# Allegro board LED_FIN.brd (continued)
## Placement (name value [footprint] x y rotation side) (continued)
D11225  0603_LED  [0603_SINGLE]  105.25 176 0 top
D11226  0603_LED  [0603_SINGLE]  107.25 176 0 top
D11227  0603_LED  [0603_SINGLE]  109.25 176 0 top
D11228  0603_LED  [0603_SINGLE]  111.25 176 0 top
D11229  0603_LED  [0603_SINGLE]  113.25 176 0 top
D11230  0603_LED  [0603_SINGLE]  115.25 176 0 top
D11231  0603_LED  [0603_SINGLE]  117.25 176 0 top
D11232  0603_LED  [0603_SINGLE]  119.25 176 0 top
D11233  0603_LED  [0603_SINGLE]  121.25 176 0 top
D11234  0603_LED  [0603_SINGLE]  123.25 176 0 top
D11235  0603_LED  [0603_SINGLE]  125.25 176 0 top
D11236  0603_LED  [0603_SINGLE]  127.25 176 0 top
D11237  0603_LED  [0603_SINGLE]  129.25 176 0 top
D11238  0603_LED  [0603_SINGLE]  131.25 176 0 top
D11239  0603_LED  [0603_SINGLE]  133.25 176 0 top
D11240  0603_LED  [0603_SINGLE]  135.25 176 0 top
D11241  0603_LED  [0603_SINGLE]  137.25 176 0 top
D11242  0603_LED  [0603_SINGLE]  139.25 176 0 top
D11243  0603_LED  [0603_SINGLE]  141.25 176 0 top
D11244  0603_LED  [0603_SINGLE]  143.25 176 0 top
D11245  0603_LED  [0603_SINGLE]  145.25 176 0 top
D11246  0603_LED  [0603_SINGLE]  147.25 176 0 top
D11247  0603_LED  [0603_SINGLE]  149.25 176 0 top
D11248  0603_LED  [0603_SINGLE]  151.25 176 0 top
D11249  0603_LED  [0603_SINGLE]  153.25 176 0 top
D11250  0603_LED  [0603_SINGLE]  155.25 176 0 top
D11251  0603_LED  [0603_SINGLE]  97.25 174 0 top
D11252  0603_LED  [0603_SINGLE]  99.25 174 0 top
D11253  0603_LED  [0603_SINGLE]  101.25 174 0 top
D11254  0603_LED  [0603_SINGLE]  103.25 174 0 top
D11255  0603_LED  [0603_SINGLE]  105.25 174 0 top
D11256  0603_LED  [0603_SINGLE]  107.25 174 0 top
D11257  0603_LED  [0603_SINGLE]  109.25 174 0 top
D11258  0603_LED  [0603_SINGLE]  111.25 174 0 top
D11259  0603_LED  [0603_SINGLE]  113.25 174 0 top
D11260  0603_LED  [0603_SINGLE]  115.25 174 0 top
D11261  0603_LED  [0603_SINGLE]  117.25 174 0 top
D11262  0603_LED  [0603_SINGLE]  119.25 174 0 top
D11263  0603_LED  [0603_SINGLE]  121.25 174 0 top
D11264  0603_LED  [0603_SINGLE]  123.25 174 0 top
D11265  0603_LED  [0603_SINGLE]  125.25 174 0 top
D11266  0603_LED  [0603_SINGLE]  127.25 174 0 top
D11267  0603_LED  [0603_SINGLE]  129.25 174 0 top
D11268  0603_LED  [0603_SINGLE]  131.25 174 0 top
D11269  0603_LED  [0603_SINGLE]  133.25 174 0 top
D11270  0603_LED  [0603_SINGLE]  135.25 174 0 top
D11271  0603_LED  [0603_SINGLE]  137.25 174 0 top
D11272  0603_LED  [0603_SINGLE]  139.25 174 0 top
D11273  0603_LED  [0603_SINGLE]  141.25 174 0 top
D11274  0603_LED  [0603_SINGLE]  143.25 174 0 top
D11275  0603_LED  [0603_SINGLE]  145.25 174 0 top
D11276  0603_LED  [0603_SINGLE]  147.25 174 0 top
D11277  0603_LED  [0603_SINGLE]  149.25 174 0 top
D11278  0603_LED  [0603_SINGLE]  151.25 174 0 top
D11279  0603_LED  [0603_SINGLE]  153.25 174 0 top
D11280  0603_LED  [0603_SINGLE]  155.25 174 0 top
D11281  0603_LED  [0603_SINGLE]  97.25 172 0 top
D11282  0603_LED  [0603_SINGLE]  99.25 172 0 top
D11283  0603_LED  [0603_SINGLE]  101.25 172 0 top
D11284  0603_LED  [0603_SINGLE]  103.25 172 0 top
D11285  0603_LED  [0603_SINGLE]  105.25 172 0 top
D11286  0603_LED  [0603_SINGLE]  107.25 172 0 top
D11287  0603_LED  [0603_SINGLE]  109.25 172 0 top
D11288  0603_LED  [0603_SINGLE]  111.25 172 0 top
D11289  0603_LED  [0603_SINGLE]  113.25 172 0 top
D11290  0603_LED  [0603_SINGLE]  115.25 172 0 top
D11291  0603_LED  [0603_SINGLE]  117.25 172 0 top
D11292  0603_LED  [0603_SINGLE]  119.25 172 0 top
D11293  0603_LED  [0603_SINGLE]  121.25 172 0 top
D11294  0603_LED  [0603_SINGLE]  123.25 172 0 top
D11295  0603_LED  [0603_SINGLE]  125.25 172 0 top
D11296  0603_LED  [0603_SINGLE]  127.25 172 0 top
D11297  0603_LED  [0603_SINGLE]  129.25 172 0 top
D11298  0603_LED  [0603_SINGLE]  131.25 172 0 top
D11299  0603_LED  [0603_SINGLE]  133.25 172 0 top
D11300  0603_LED  [0603_SINGLE]  135.25 172 0 top
D11301  0603_LED  [0603_SINGLE]  137.25 172 0 top
D11302  0603_LED  [0603_SINGLE]  139.25 172 0 top
D11303  0603_LED  [0603_SINGLE]  141.25 172 0 top
D11304  0603_LED  [0603_SINGLE]  143.25 172 0 top
D11305  0603_LED  [0603_SINGLE]  145.25 172 0 top
D11306  0603_LED  [0603_SINGLE]  147.25 172 0 top
D11307  0603_LED  [0603_SINGLE]  149.25 172 0 top
D11308  0603_LED  [0603_SINGLE]  151.25 172 0 top
D11309  0603_LED  [0603_SINGLE]  153.25 172 0 top
D11310  0603_LED  [0603_SINGLE]  155.25 172 0 top
D11311  0603_LED  [0603_SINGLE]  97.25 170 0 top
D11312  0603_LED  [0603_SINGLE]  99.25 170 0 top
D11313  0603_LED  [0603_SINGLE]  101.25 170 0 top
D11314  0603_LED  [0603_SINGLE]  103.25 170 0 top
D11315  0603_LED  [0603_SINGLE]  105.25 170 0 top
D11316  0603_LED  [0603_SINGLE]  107.25 170 0 top
D11317  0603_LED  [0603_SINGLE]  109.25 170 0 top
D11318  0603_LED  [0603_SINGLE]  111.25 170 0 top
D11319  0603_LED  [0603_SINGLE]  113.25 170 0 top
D11320  0603_LED  [0603_SINGLE]  115.25 170 0 top
D11321  0603_LED  [0603_SINGLE]  117.25 170 0 top
D11322  0603_LED  [0603_SINGLE]  119.25 170 0 top
D11323  0603_LED  [0603_SINGLE]  121.25 170 0 top
D11324  0603_LED  [0603_SINGLE]  123.25 170 0 top
D11325  0603_LED  [0603_SINGLE]  125.25 170 0 top
D11326  0603_LED  [0603_SINGLE]  127.25 170 0 top
D11327  0603_LED  [0603_SINGLE]  129.25 170 0 top
D11328  0603_LED  [0603_SINGLE]  131.25 170 0 top
D11329  0603_LED  [0603_SINGLE]  133.25 170 0 top
D11330  0603_LED  [0603_SINGLE]  135.25 170 0 top
D11331  0603_LED  [0603_SINGLE]  137.25 170 0 top
D11332  0603_LED  [0603_SINGLE]  139.25 170 0 top
D11333  0603_LED  [0603_SINGLE]  141.25 170 0 top
D11334  0603_LED  [0603_SINGLE]  143.25 170 0 top
D11335  0603_LED  [0603_SINGLE]  145.25 170 0 top
D11336  0603_LED  [0603_SINGLE]  147.25 170 0 top
D11337  0603_LED  [0603_SINGLE]  149.25 170 0 top
D11338  0603_LED  [0603_SINGLE]  151.25 170 0 top
D11339  0603_LED  [0603_SINGLE]  153.25 170 0 top
D11340  0603_LED  [0603_SINGLE]  155.25 170 0 top
D11341  0603_LED  [0603_SINGLE]  97.25 168 0 top
D11342  0603_LED  [0603_SINGLE]  99.25 168 0 top
D11343  0603_LED  [0603_SINGLE]  101.25 168 0 top
D11344  0603_LED  [0603_SINGLE]  103.25 168 0 top
D11345  0603_LED  [0603_SINGLE]  105.25 168 0 top
D11346  0603_LED  [0603_SINGLE]  107.25 168 0 top
D11347  0603_LED  [0603_SINGLE]  109.25 168 0 top
D11348  0603_LED  [0603_SINGLE]  111.25 168 0 top
D11349  0603_LED  [0603_SINGLE]  113.25 168 0 top
D11350  0603_LED  [0603_SINGLE]  115.25 168 0 top
D11351  0603_LED  [0603_SINGLE]  117.25 168 0 top
D11352  0603_LED  [0603_SINGLE]  119.25 168 0 top
D11353  0603_LED  [0603_SINGLE]  121.25 168 0 top
D11354  0603_LED  [0603_SINGLE]  123.25 168 0 top
D11355  0603_LED  [0603_SINGLE]  125.25 168 0 top
D11356  0603_LED  [0603_SINGLE]  127.25 168 0 top
D11357  0603_LED  [0603_SINGLE]  129.25 168 0 top
D11358  0603_LED  [0603_SINGLE]  131.25 168 0 top
D11359  0603_LED  [0603_SINGLE]  133.25 168 0 top
D11360  0603_LED  [0603_SINGLE]  135.25 168 0 top
D11361  0603_LED  [0603_SINGLE]  137.25 168 0 top
D11362  0603_LED  [0603_SINGLE]  139.25 168 0 top
D11363  0603_LED  [0603_SINGLE]  141.25 168 0 top
D11364  0603_LED  [0603_SINGLE]  143.25 168 0 top
D11365  0603_LED  [0603_SINGLE]  145.25 168 0 top
D11366  0603_LED  [0603_SINGLE]  147.25 168 0 top
D11367  0603_LED  [0603_SINGLE]  149.25 168 0 top
D11368  0603_LED  [0603_SINGLE]  151.25 168 0 top
D11369  0603_LED  [0603_SINGLE]  153.25 168 0 top
D11370  0603_LED  [0603_SINGLE]  155.25 168 0 top
D11371  0603_LED  [0603_SINGLE]  97.25 166 0 top
D11372  0603_LED  [0603_SINGLE]  99.25 166 0 top
D11373  0603_LED  [0603_SINGLE]  101.25 166 0 top
D11374  0603_LED  [0603_SINGLE]  103.25 166 0 top
D11375  0603_LED  [0603_SINGLE]  105.25 166 0 top
D11376  0603_LED  [0603_SINGLE]  107.25 166 0 top
D11377  0603_LED  [0603_SINGLE]  109.25 166 0 top
D11378  0603_LED  [0603_SINGLE]  111.25 166 0 top
D11379  0603_LED  [0603_SINGLE]  113.25 166 0 top
D11380  0603_LED  [0603_SINGLE]  115.25 166 0 top
D11381  0603_LED  [0603_SINGLE]  117.25 166 0 top
D11382  0603_LED  [0603_SINGLE]  119.25 166 0 top
D11383  0603_LED  [0603_SINGLE]  121.25 166 0 top
D11384  0603_LED  [0603_SINGLE]  123.25 166 0 top
D11385  0603_LED  [0603_SINGLE]  125.25 166 0 top
D11386  0603_LED  [0603_SINGLE]  127.25 166 0 top
D11387  0603_LED  [0603_SINGLE]  129.25 166 0 top
D11388  0603_LED  [0603_SINGLE]  131.25 166 0 top
D11389  0603_LED  [0603_SINGLE]  133.25 166 0 top
D11390  0603_LED  [0603_SINGLE]  135.25 166 0 top
D11391  0603_LED  [0603_SINGLE]  137.25 166 0 top
D11392  0603_LED  [0603_SINGLE]  139.25 166 0 top
D11393  0603_LED  [0603_SINGLE]  141.25 166 0 top
D11394  0603_LED  [0603_SINGLE]  143.25 166 0 top
D11395  0603_LED  [0603_SINGLE]  145.25 166 0 top
D11396  0603_LED  [0603_SINGLE]  147.25 166 0 top
D11397  0603_LED  [0603_SINGLE]  149.25 166 0 top
D11398  0603_LED  [0603_SINGLE]  151.25 166 0 top
D11399  0603_LED  [0603_SINGLE]  153.25 166 0 top
D11400  0603_LED  [0603_SINGLE]  155.25 166 0 top
D11401  0603_LED  [0603_SINGLE]  157.25 240 0 top
D11402  0603_LED  [0603_SINGLE]  159.25 240 0 top
D11403  0603_LED  [0603_SINGLE]  161.25 240 0 top
D11404  0603_LED  [0603_SINGLE]  163.25 240 0 top
D11405  0603_LED  [0603_SINGLE]  165.25 240 0 top
D11406  0603_LED  [0603_SINGLE]  167.25 240 0 top
D11407  0603_LED  [0603_SINGLE]  169.25 240 0 top
D11408  0603_LED  [0603_SINGLE]  171.25 240 0 top
D11409  0603_LED  [0603_SINGLE]  173.25 240 0 top
D11410  0603_LED  [0603_SINGLE]  175.25 240 0 top
D11411  0603_LED  [0603_SINGLE]  177.25 240 0 top
D11412  0603_LED  [0603_SINGLE]  179.25 240 0 top
D11413  0603_LED  [0603_SINGLE]  181.25 240 0 top
D11414  0603_LED  [0603_SINGLE]  183.25 240 0 top
D11415  0603_LED  [0603_SINGLE]  185.25 240 0 top
D11416  0603_LED  [0603_SINGLE]  187.25 240 0 top
D11417  0603_LED  [0603_SINGLE]  189.25 240 0 top
D11418  0603_LED  [0603_SINGLE]  191.25 240 0 top
D11419  0603_LED  [0603_SINGLE]  193.25 240 0 top
D11420  0603_LED  [0603_SINGLE]  195.25 240 0 top
D11421  0603_LED  [0603_SINGLE]  197.25 240 0 top
D11422  0603_LED  [0603_SINGLE]  199.25 240 0 top
D11423  0603_LED  [0603_SINGLE]  201.25 240 0 top
D11424  0603_LED  [0603_SINGLE]  203.25 240 0 top
D11425  0603_LED  [0603_SINGLE]  205.25 240 0 top
D11426  0603_LED  [0603_SINGLE]  207.25 240 0 top
D11427  0603_LED  [0603_SINGLE]  209.25 240 0 top
D11428  0603_LED  [0603_SINGLE]  211.25 240 0 top
D11429  0603_LED  [0603_SINGLE]  213.25 240 0 top
D11430  0603_LED  [0603_SINGLE]  215.25 240 0 top
D11431  0603_LED  [0603_SINGLE]  157.25 238 0 top
D11432  0603_LED  [0603_SINGLE]  159.25 238 0 top
D11433  0603_LED  [0603_SINGLE]  161.25 238 0 top
D11434  0603_LED  [0603_SINGLE]  163.25 238 0 top
D11435  0603_LED  [0603_SINGLE]  165.25 238 0 top
D11436  0603_LED  [0603_SINGLE]  167.25 238 0 top
D11437  0603_LED  [0603_SINGLE]  169.25 238 0 top
D11438  0603_LED  [0603_SINGLE]  171.25 238 0 top
D11439  0603_LED  [0603_SINGLE]  173.25 238 0 top
D11440  0603_LED  [0603_SINGLE]  175.25 238 0 top
D11441  0603_LED  [0603_SINGLE]  177.25 238 0 top
D11442  0603_LED  [0603_SINGLE]  179.25 238 0 top
D11443  0603_LED  [0603_SINGLE]  181.25 238 0 top
D11444  0603_LED  [0603_SINGLE]  183.25 238 0 top
D11445  0603_LED  [0603_SINGLE]  185.25 238 0 top
D11446  0603_LED  [0603_SINGLE]  187.25 238 0 top
D11447  0603_LED  [0603_SINGLE]  189.25 238 0 top
D11448  0603_LED  [0603_SINGLE]  191.25 238 0 top
D11449  0603_LED  [0603_SINGLE]  193.25 238 0 top
D11450  0603_LED  [0603_SINGLE]  195.25 238 0 top
D11451  0603_LED  [0603_SINGLE]  197.25 238 0 top
D11452  0603_LED  [0603_SINGLE]  199.25 238 0 top
D11453  0603_LED  [0603_SINGLE]  201.25 238 0 top
D11454  0603_LED  [0603_SINGLE]  203.25 238 0 top
D11455  0603_LED  [0603_SINGLE]  205.25 238 0 top
D11456  0603_LED  [0603_SINGLE]  207.25 238 0 top
D11457  0603_LED  [0603_SINGLE]  209.25 238 0 top
D11458  0603_LED  [0603_SINGLE]  211.25 238 0 top
D11459  0603_LED  [0603_SINGLE]  213.25 238 0 top
D11460  0603_LED  [0603_SINGLE]  215.25 238 0 top
D11461  0603_LED  [0603_SINGLE]  157.25 236 0 top
D11462  0603_LED  [0603_SINGLE]  159.25 236 0 top
D11463  0603_LED  [0603_SINGLE]  161.25 236 0 top
D11464  0603_LED  [0603_SINGLE]  163.25 236 0 top
D11465  0603_LED  [0603_SINGLE]  165.25 236 0 top
D11466  0603_LED  [0603_SINGLE]  167.25 236 0 top
D11467  0603_LED  [0603_SINGLE]  169.25 236 0 top
D11468  0603_LED  [0603_SINGLE]  171.25 236 0 top
D11469  0603_LED  [0603_SINGLE]  173.25 236 0 top
D11470  0603_LED  [0603_SINGLE]  175.25 236 0 top
D11471  0603_LED  [0603_SINGLE]  177.25 236 0 top
D11472  0603_LED  [0603_SINGLE]  179.25 236 0 top
D11473  0603_LED  [0603_SINGLE]  181.25 236 0 top
D11474  0603_LED  [0603_SINGLE]  183.25 236 0 top
D11475  0603_LED  [0603_SINGLE]  185.25 236 0 top
D11476  0603_LED  [0603_SINGLE]  187.25 236 0 top
D11477  0603_LED  [0603_SINGLE]  189.25 236 0 top
D11478  0603_LED  [0603_SINGLE]  191.25 236 0 top
D11479  0603_LED  [0603_SINGLE]  193.25 236 0 top
D11480  0603_LED  [0603_SINGLE]  195.25 236 0 top
D11481  0603_LED  [0603_SINGLE]  197.25 236 0 top
D11482  0603_LED  [0603_SINGLE]  199.25 236 0 top
D11483  0603_LED  [0603_SINGLE]  201.25 236 0 top
D11484  0603_LED  [0603_SINGLE]  203.25 236 0 top
D11485  0603_LED  [0603_SINGLE]  205.25 236 0 top
D11486  0603_LED  [0603_SINGLE]  207.25 236 0 top
D11487  0603_LED  [0603_SINGLE]  209.25 236 0 top
D11488  0603_LED  [0603_SINGLE]  211.25 236 0 top
D11489  0603_LED  [0603_SINGLE]  213.25 236 0 top
D11490  0603_LED  [0603_SINGLE]  215.25 236 0 top
D11491  0603_LED  [0603_SINGLE]  157.25 234 0 top
D11492  0603_LED  [0603_SINGLE]  159.25 234 0 top
D11493  0603_LED  [0603_SINGLE]  161.25 234 0 top
D11494  0603_LED  [0603_SINGLE]  163.25 234 0 top
D11495  0603_LED  [0603_SINGLE]  165.25 234 0 top
D11496  0603_LED  [0603_SINGLE]  167.25 234 0 top
D11497  0603_LED  [0603_SINGLE]  169.25 234 0 top
D11498  0603_LED  [0603_SINGLE]  171.25 234 0 top
D11499  0603_LED  [0603_SINGLE]  173.25 234 0 top
D11500  0603_LED  [0603_SINGLE]  175.25 234 0 top
D11501  0603_LED  [0603_SINGLE]  177.25 234 0 top
D11502  0603_LED  [0603_SINGLE]  179.25 234 0 top
D11503  0603_LED  [0603_SINGLE]  181.25 234 0 top
D11504  0603_LED  [0603_SINGLE]  183.25 234 0 top
D11505  0603_LED  [0603_SINGLE]  185.25 234 0 top
D11506  0603_LED  [0603_SINGLE]  187.25 234 0 top
D11507  0603_LED  [0603_SINGLE]  189.25 234 0 top
D11508  0603_LED  [0603_SINGLE]  191.25 234 0 top
D11509  0603_LED  [0603_SINGLE]  193.25 234 0 top
D11510  0603_LED  [0603_SINGLE]  195.25 234 0 top
D11511  0603_LED  [0603_SINGLE]  197.25 234 0 top
D11512  0603_LED  [0603_SINGLE]  199.25 234 0 top
D11513  0603_LED  [0603_SINGLE]  201.25 234 0 top
D11514  0603_LED  [0603_SINGLE]  203.25 234 0 top
D11515  0603_LED  [0603_SINGLE]  205.25 234 0 top
D11516  0603_LED  [0603_SINGLE]  207.25 234 0 top
D11517  0603_LED  [0603_SINGLE]  209.25 234 0 top
D11518  0603_LED  [0603_SINGLE]  211.25 234 0 top
D11519  0603_LED  [0603_SINGLE]  213.25 234 0 top
D11520  0603_LED  [0603_SINGLE]  215.25 234 0 top
D11521  0603_LED  [0603_SINGLE]  157.25 232 0 top
D11522  0603_LED  [0603_SINGLE]  159.25 232 0 top
D11523  0603_LED  [0603_SINGLE]  161.25 232 0 top
D11524  0603_LED  [0603_SINGLE]  163.25 232 0 top
D11525  0603_LED  [0603_SINGLE]  165.25 232 0 top
D11526  0603_LED  [0603_SINGLE]  167.25 232 0 top
D11527  0603_LED  [0603_SINGLE]  169.25 232 0 top
D11528  0603_LED  [0603_SINGLE]  171.25 232 0 top
D11529  0603_LED  [0603_SINGLE]  173.25 232 0 top
D11530  0603_LED  [0603_SINGLE]  175.25 232 0 top
D11531  0603_LED  [0603_SINGLE]  177.25 232 0 top
D11532  0603_LED  [0603_SINGLE]  179.25 232 0 top
D11533  0603_LED  [0603_SINGLE]  181.25 232 0 top
D11534  0603_LED  [0603_SINGLE]  183.25 232 0 top
D11535  0603_LED  [0603_SINGLE]  185.25 232 0 top
D11536  0603_LED  [0603_SINGLE]  187.25 232 0 top
D11537  0603_LED  [0603_SINGLE]  189.25 232 0 top
D11538  0603_LED  [0603_SINGLE]  191.25 232 0 top
D11539  0603_LED  [0603_SINGLE]  193.25 232 0 top
D11540  0603_LED  [0603_SINGLE]  195.25 232 0 top
D11541  0603_LED  [0603_SINGLE]  197.25 232 0 top
D11542  0603_LED  [0603_SINGLE]  199.25 232 0 top
D11543  0603_LED  [0603_SINGLE]  201.25 232 0 top
D11544  0603_LED  [0603_SINGLE]  203.25 232 0 top
D11545  0603_LED  [0603_SINGLE]  205.25 232 0 top
D11546  0603_LED  [0603_SINGLE]  207.25 232 0 top
D11547  0603_LED  [0603_SINGLE]  209.25 232 0 top
D11548  0603_LED  [0603_SINGLE]  211.25 232 0 top
D11549  0603_LED  [0603_SINGLE]  213.25 232 0 top
D11550  0603_LED  [0603_SINGLE]  215.25 232 0 top
D11551  0603_LED  [0603_SINGLE]  157.25 230 0 top
D11552  0603_LED  [0603_SINGLE]  159.25 230 0 top
D11553  0603_LED  [0603_SINGLE]  161.25 230 0 top
D11554  0603_LED  [0603_SINGLE]  163.25 230 0 top
D11555  0603_LED  [0603_SINGLE]  165.25 230 0 top
D11556  0603_LED  [0603_SINGLE]  167.25 230 0 top
D11557  0603_LED  [0603_SINGLE]  169.25 230 0 top
D11558  0603_LED  [0603_SINGLE]  171.25 230 0 top
D11559  0603_LED  [0603_SINGLE]  173.25 230 0 top
D11560  0603_LED  [0603_SINGLE]  175.25 230 0 top
D11561  0603_LED  [0603_SINGLE]  177.25 230 0 top
D11562  0603_LED  [0603_SINGLE]  179.25 230 0 top
D11563  0603_LED  [0603_SINGLE]  181.25 230 0 top
D11564  0603_LED  [0603_SINGLE]  183.25 230 0 top
D11565  0603_LED  [0603_SINGLE]  185.25 230 0 top
D11566  0603_LED  [0603_SINGLE]  187.25 230 0 top
D11567  0603_LED  [0603_SINGLE]  189.25 230 0 top
D11568  0603_LED  [0603_SINGLE]  191.25 230 0 top
D11569  0603_LED  [0603_SINGLE]  193.25 230 0 top
D11570  0603_LED  [0603_SINGLE]  195.25 230 0 top
D11571  0603_LED  [0603_SINGLE]  197.25 230 0 top
D11572  0603_LED  [0603_SINGLE]  199.25 230 0 top
D11573  0603_LED  [0603_SINGLE]  201.25 230 0 top
D11574  0603_LED  [0603_SINGLE]  203.25 230 0 top
D11575  0603_LED  [0603_SINGLE]  205.25 230 0 top
D11576  0603_LED  [0603_SINGLE]  207.25 230 0 top
D11577  0603_LED  [0603_SINGLE]  209.25 230 0 top
D11578  0603_LED  [0603_SINGLE]  211.25 230 0 top
D11579  0603_LED  [0603_SINGLE]  213.25 230 0 top
D11580  0603_LED  [0603_SINGLE]  215.25 230 0 top
D11581  0603_LED  [0603_SINGLE]  157.25 228 0 top
D11582  0603_LED  [0603_SINGLE]  159.25 228 0 top
D11583  0603_LED  [0603_SINGLE]  161.25 228 0 top
D11584  0603_LED  [0603_SINGLE]  163.25 228 0 top
D11585  0603_LED  [0603_SINGLE]  165.25 228 0 top
D11586  0603_LED  [0603_SINGLE]  167.25 228 0 top
D11587  0603_LED  [0603_SINGLE]  169.25 228 0 top
D11588  0603_LED  [0603_SINGLE]  171.25 228 0 top
D11589  0603_LED  [0603_SINGLE]  173.25 228 0 top
D11590  0603_LED  [0603_SINGLE]  175.25 228 0 top
D11591  0603_LED  [0603_SINGLE]  177.25 228 0 top
D11592  0603_LED  [0603_SINGLE]  179.25 228 0 top
D11593  0603_LED  [0603_SINGLE]  181.25 228 0 top
D11594  0603_LED  [0603_SINGLE]  183.25 228 0 top
D11595  0603_LED  [0603_SINGLE]  185.25 228 0 top
D11596  0603_LED  [0603_SINGLE]  187.25 228 0 top
D11597  0603_LED  [0603_SINGLE]  189.25 228 0 top
D11598  0603_LED  [0603_SINGLE]  191.25 228 0 top
D11599  0603_LED  [0603_SINGLE]  193.25 228 0 top
D11600  0603_LED  [0603_SINGLE]  195.25 228 0 top
D11601  0603_LED  [0603_SINGLE]  197.25 228 0 top
D11602  0603_LED  [0603_SINGLE]  199.25 228 0 top
D11603  0603_LED  [0603_SINGLE]  201.25 228 0 top
D11604  0603_LED  [0603_SINGLE]  203.25 228 0 top
D11605  0603_LED  [0603_SINGLE]  205.25 228 0 top
D11606  0603_LED  [0603_SINGLE]  207.25 228 0 top
D11607  0603_LED  [0603_SINGLE]  209.25 228 0 top
D11608  0603_LED  [0603_SINGLE]  211.25 228 0 top
D11609  0603_LED  [0603_SINGLE]  213.25 228 0 top
D11610  0603_LED  [0603_SINGLE]  215.25 228 0 top
D11611  0603_LED  [0603_SINGLE]  157.25 226 0 top
D11612  0603_LED  [0603_SINGLE]  159.25 226 0 top
D11613  0603_LED  [0603_SINGLE]  161.25 226 0 top
D11614  0603_LED  [0603_SINGLE]  163.25 226 0 top
D11615  0603_LED  [0603_SINGLE]  165.25 226 0 top
D11616  0603_LED  [0603_SINGLE]  167.25 226 0 top
D11617  0603_LED  [0603_SINGLE]  169.25 226 0 top
D11618  0603_LED  [0603_SINGLE]  171.25 226 0 top
D11619  0603_LED  [0603_SINGLE]  173.25 226 0 top
D11620  0603_LED  [0603_SINGLE]  175.25 226 0 top
D11621  0603_LED  [0603_SINGLE]  177.25 226 0 top
D11622  0603_LED  [0603_SINGLE]  179.25 226 0 top
D11623  0603_LED  [0603_SINGLE]  181.25 226 0 top
D11624  0603_LED  [0603_SINGLE]  183.25 226 0 top
D11625  0603_LED  [0603_SINGLE]  185.25 226 0 top
D11626  0603_LED  [0603_SINGLE]  187.25 226 0 top
D11627  0603_LED  [0603_SINGLE]  189.25 226 0 top
D11628  0603_LED  [0603_SINGLE]  191.25 226 0 top
D11629  0603_LED  [0603_SINGLE]  193.25 226 0 top
D11630  0603_LED  [0603_SINGLE]  195.25 226 0 top
D11631  0603_LED  [0603_SINGLE]  197.25 226 0 top
D11632  0603_LED  [0603_SINGLE]  199.25 226 0 top
D11633  0603_LED  [0603_SINGLE]  201.25 226 0 top
D11634  0603_LED  [0603_SINGLE]  203.25 226 0 top
D11635  0603_LED  [0603_SINGLE]  205.25 226 0 top
D11636  0603_LED  [0603_SINGLE]  207.25 226 0 top
D11637  0603_LED  [0603_SINGLE]  209.25 226 0 top
D11638  0603_LED  [0603_SINGLE]  211.25 226 0 top
D11639  0603_LED  [0603_SINGLE]  213.25 226 0 top
D11640  0603_LED  [0603_SINGLE]  215.25 226 0 top
D11641  0603_LED  [0603_SINGLE]  157.25 224 0 top
D11642  0603_LED  [0603_SINGLE]  159.25 224 0 top
D11643  0603_LED  [0603_SINGLE]  161.25 224 0 top
D11644  0603_LED  [0603_SINGLE]  163.25 224 0 top
D11645  0603_LED  [0603_SINGLE]  165.25 224 0 top
D11646  0603_LED  [0603_SINGLE]  167.25 224 0 top
D11647  0603_LED  [0603_SINGLE]  169.25 224 0 top
D11648  0603_LED  [0603_SINGLE]  171.25 224 0 top
D11649  0603_LED  [0603_SINGLE]  173.25 224 0 top
D11650  0603_LED  [0603_SINGLE]  175.25 224 0 top
D11651  0603_LED  [0603_SINGLE]  177.25 224 0 top
D11652  0603_LED  [0603_SINGLE]  179.25 224 0 top
D11653  0603_LED  [0603_SINGLE]  181.25 224 0 top
D11654  0603_LED  [0603_SINGLE]  183.25 224 0 top
D11655  0603_LED  [0603_SINGLE]  185.25 224 0 top
D11656  0603_LED  [0603_SINGLE]  187.25 224 0 top
D11657  0603_LED  [0603_SINGLE]  189.25 224 0 top
D11658  0603_LED  [0603_SINGLE]  191.25 224 0 top
D11659  0603_LED  [0603_SINGLE]  193.25 224 0 top
D11660  0603_LED  [0603_SINGLE]  195.25 224 0 top
D11661  0603_LED  [0603_SINGLE]  197.25 224 0 top
D11662  0603_LED  [0603_SINGLE]  199.25 224 0 top
D11663  0603_LED  [0603_SINGLE]  201.25 224 0 top
D11664  0603_LED  [0603_SINGLE]  203.25 224 0 top
D11665  0603_LED  [0603_SINGLE]  205.25 224 0 top
D11666  0603_LED  [0603_SINGLE]  207.25 224 0 top
D11667  0603_LED  [0603_SINGLE]  209.25 224 0 top
D11668  0603_LED  [0603_SINGLE]  211.25 224 0 top
D11669  0603_LED  [0603_SINGLE]  213.25 224 0 top
D11670  0603_LED  [0603_SINGLE]  215.25 224 0 top
D11671  0603_LED  [0603_SINGLE]  157.25 222 0 top
D11672  0603_LED  [0603_SINGLE]  159.25 222 0 top
D11673  0603_LED  [0603_SINGLE]  161.25 222 0 top
D11674  0603_LED  [0603_SINGLE]  163.25 222 0 top
D11675  0603_LED  [0603_SINGLE]  165.25 222 0 top
D11676  0603_LED  [0603_SINGLE]  167.25 222 0 top
D11677  0603_LED  [0603_SINGLE]  169.25 222 0 top
D11678  0603_LED  [0603_SINGLE]  171.25 222 0 top
D11679  0603_LED  [0603_SINGLE]  173.25 222 0 top
D11680  0603_LED  [0603_SINGLE]  175.25 222 0 top
D11681  0603_LED  [0603_SINGLE]  177.25 222 0 top
D11682  0603_LED  [0603_SINGLE]  179.25 222 0 top
D11683  0603_LED  [0603_SINGLE]  181.25 222 0 top
D11684  0603_LED  [0603_SINGLE]  183.25 222 0 top
D11685  0603_LED  [0603_SINGLE]  185.25 222 0 top
D11686  0603_LED  [0603_SINGLE]  187.25 222 0 top
D11687  0603_LED  [0603_SINGLE]  189.25 222 0 top
D11688  0603_LED  [0603_SINGLE]  191.25 222 0 top
D11689  0603_LED  [0603_SINGLE]  193.25 222 0 top
D11690  0603_LED  [0603_SINGLE]  195.25 222 0 top
D11691  0603_LED  [0603_SINGLE]  197.25 222 0 top
D11692  0603_LED  [0603_SINGLE]  199.25 222 0 top
D11693  0603_LED  [0603_SINGLE]  201.25 222 0 top
D11694  0603_LED  [0603_SINGLE]  203.25 222 0 top
D11695  0603_LED  [0603_SINGLE]  205.25 222 0 top
D11696  0603_LED  [0603_SINGLE]  207.25 222 0 top
D11697  0603_LED  [0603_SINGLE]  209.25 222 0 top
D11698  0603_LED  [0603_SINGLE]  211.25 222 0 top
D11699  0603_LED  [0603_SINGLE]  213.25 222 0 top
D11700  0603_LED  [0603_SINGLE]  215.25 222 0 top
D11701  0603_LED  [0603_SINGLE]  157.25 220 0 top
D11702  0603_LED  [0603_SINGLE]  159.25 220 0 top
D11703  0603_LED  [0603_SINGLE]  161.25 220 0 top
D11704  0603_LED  [0603_SINGLE]  163.25 220 0 top
D11705  0603_LED  [0603_SINGLE]  165.25 220 0 top
D11706  0603_LED  [0603_SINGLE]  167.25 220 0 top
D11707  0603_LED  [0603_SINGLE]  169.25 220 0 top
D11708  0603_LED  [0603_SINGLE]  171.25 220 0 top
D11709  0603_LED  [0603_SINGLE]  173.25 220 0 top
D11710  0603_LED  [0603_SINGLE]  175.25 220 0 top
D11711  0603_LED  [0603_SINGLE]  177.25 220 0 top
D11712  0603_LED  [0603_SINGLE]  179.25 220 0 top
D11713  0603_LED  [0603_SINGLE]  181.25 220 0 top
D11714  0603_LED  [0603_SINGLE]  183.25 220 0 top
D11715  0603_LED  [0603_SINGLE]  185.25 220 0 top
D11716  0603_LED  [0603_SINGLE]  187.25 220 0 top
D11717  0603_LED  [0603_SINGLE]  189.25 220 0 top
D11718  0603_LED  [0603_SINGLE]  191.25 220 0 top
D11719  0603_LED  [0603_SINGLE]  193.25 220 0 top
D11720  0603_LED  [0603_SINGLE]  195.25 220 0 top
D11721  0603_LED  [0603_SINGLE]  197.25 220 0 top
D11722  0603_LED  [0603_SINGLE]  199.25 220 0 top
D11723  0603_LED  [0603_SINGLE]  201.25 220 0 top
D11724  0603_LED  [0603_SINGLE]  203.25 220 0 top
D11725  0603_LED  [0603_SINGLE]  205.25 220 0 top
D11726  0603_LED  [0603_SINGLE]  207.25 220 0 top
D11727  0603_LED  [0603_SINGLE]  209.25 220 0 top
D11728  0603_LED  [0603_SINGLE]  211.25 220 0 top
D11729  0603_LED  [0603_SINGLE]  213.25 220 0 top
D11730  0603_LED  [0603_SINGLE]  215.25 220 0 top
D11731  0603_LED  [0603_SINGLE]  157.25 218 0 top
D11732  0603_LED  [0603_SINGLE]  159.25 218 0 top
D11733  0603_LED  [0603_SINGLE]  161.25 218 0 top
D11734  0603_LED  [0603_SINGLE]  163.25 218 0 top
D11735  0603_LED  [0603_SINGLE]  165.25 218 0 top
D11736  0603_LED  [0603_SINGLE]  167.25 218 0 top
D11737  0603_LED  [0603_SINGLE]  169.25 218 0 top
D11738  0603_LED  [0603_SINGLE]  171.25 218 0 top
D11739  0603_LED  [0603_SINGLE]  173.25 218 0 top
D11740  0603_LED  [0603_SINGLE]  175.25 218 0 top
D11741  0603_LED  [0603_SINGLE]  177.25 218 0 top
D11742  0603_LED  [0603_SINGLE]  179.25 218 0 top
D11743  0603_LED  [0603_SINGLE]  181.25 218 0 top
D11744  0603_LED  [0603_SINGLE]  183.25 218 0 top
D11745  0603_LED  [0603_SINGLE]  185.25 218 0 top
D11746  0603_LED  [0603_SINGLE]  187.25 218 0 top
D11747  0603_LED  [0603_SINGLE]  189.25 218 0 top
D11748  0603_LED  [0603_SINGLE]  191.25 218 0 top
D11749  0603_LED  [0603_SINGLE]  193.25 218 0 top
D11750  0603_LED  [0603_SINGLE]  195.25 218 0 top
D11751  0603_LED  [0603_SINGLE]  197.25 218 0 top
D11752  0603_LED  [0603_SINGLE]  199.25 218 0 top
D11753  0603_LED  [0603_SINGLE]  201.25 218 0 top
D11754  0603_LED  [0603_SINGLE]  203.25 218 0 top
D11755  0603_LED  [0603_SINGLE]  205.25 218 0 top
D11756  0603_LED  [0603_SINGLE]  207.25 218 0 top
D11757  0603_LED  [0603_SINGLE]  209.25 218 0 top
D11758  0603_LED  [0603_SINGLE]  211.25 218 0 top
D11759  0603_LED  [0603_SINGLE]  213.25 218 0 top
D11760  0603_LED  [0603_SINGLE]  215.25 218 0 top
D11761  0603_LED  [0603_SINGLE]  157.25 216 0 top
D11762  0603_LED  [0603_SINGLE]  159.25 216 0 top
D11763  0603_LED  [0603_SINGLE]  161.25 216 0 top
D11764  0603_LED  [0603_SINGLE]  163.25 216 0 top
D11765  0603_LED  [0603_SINGLE]  165.25 216 0 top
D11766  0603_LED  [0603_SINGLE]  167.25 216 0 top
D11767  0603_LED  [0603_SINGLE]  169.25 216 0 top
D11768  0603_LED  [0603_SINGLE]  171.25 216 0 top
D11769  0603_LED  [0603_SINGLE]  173.25 216 0 top
D11770  0603_LED  [0603_SINGLE]  175.25 216 0 top
D11771  0603_LED  [0603_SINGLE]  177.25 216 0 top
D11772  0603_LED  [0603_SINGLE]  179.25 216 0 top
D11773  0603_LED  [0603_SINGLE]  181.25 216 0 top
D11774  0603_LED  [0603_SINGLE]  183.25 216 0 top
D11775  0603_LED  [0603_SINGLE]  185.25 216 0 top
D11776  0603_LED  [0603_SINGLE]  187.25 216 0 top
D11777  0603_LED  [0603_SINGLE]  189.25 216 0 top
D11778  0603_LED  [0603_SINGLE]  191.25 216 0 top
D11779  0603_LED  [0603_SINGLE]  193.25 216 0 top
D11780  0603_LED  [0603_SINGLE]  195.25 216 0 top
D11781  0603_LED  [0603_SINGLE]  197.25 216 0 top
D11782  0603_LED  [0603_SINGLE]  199.25 216 0 top
D11783  0603_LED  [0603_SINGLE]  201.25 216 0 top
D11784  0603_LED  [0603_SINGLE]  203.25 216 0 top
D11785  0603_LED  [0603_SINGLE]  205.25 216 0 top
D11786  0603_LED  [0603_SINGLE]  207.25 216 0 top
D11787  0603_LED  [0603_SINGLE]  209.25 216 0 top
D11788  0603_LED  [0603_SINGLE]  211.25 216 0 top
D11789  0603_LED  [0603_SINGLE]  213.25 216 0 top
D11790  0603_LED  [0603_SINGLE]  215.25 216 0 top
D11791  0603_LED  [0603_SINGLE]  157.25 214 0 top
D11792  0603_LED  [0603_SINGLE]  159.25 214 0 top
D11793  0603_LED  [0603_SINGLE]  161.25 214 0 top
D11794  0603_LED  [0603_SINGLE]  163.25 214 0 top
D11795  0603_LED  [0603_SINGLE]  165.25 214 0 top
D11796  0603_LED  [0603_SINGLE]  167.25 214 0 top
D11797  0603_LED  [0603_SINGLE]  169.25 214 0 top
D11798  0603_LED  [0603_SINGLE]  171.25 214 0 top
D11799  0603_LED  [0603_SINGLE]  173.25 214 0 top
D11800  0603_LED  [0603_SINGLE]  175.25 214 0 top
D11801  0603_LED  [0603_SINGLE]  177.25 214 0 top
D11802  0603_LED  [0603_SINGLE]  179.25 214 0 top
D11803  0603_LED  [0603_SINGLE]  181.25 214 0 top
D11804  0603_LED  [0603_SINGLE]  183.25 214 0 top
D11805  0603_LED  [0603_SINGLE]  185.25 214 0 top
D11806  0603_LED  [0603_SINGLE]  187.25 214 0 top
D11807  0603_LED  [0603_SINGLE]  189.25 214 0 top
D11808  0603_LED  [0603_SINGLE]  191.25 214 0 top
D11809  0603_LED  [0603_SINGLE]  193.25 214 0 top
D11810  0603_LED  [0603_SINGLE]  195.25 214 0 top
D11811  0603_LED  [0603_SINGLE]  197.25 214 0 top
D11812  0603_LED  [0603_SINGLE]  199.25 214 0 top
D11813  0603_LED  [0603_SINGLE]  201.25 214 0 top
D11814  0603_LED  [0603_SINGLE]  203.25 214 0 top
D11815  0603_LED  [0603_SINGLE]  205.25 214 0 top
D11816  0603_LED  [0603_SINGLE]  207.25 214 0 top
D11817  0603_LED  [0603_SINGLE]  209.25 214 0 top
D11818  0603_LED  [0603_SINGLE]  211.25 214 0 top
D11819  0603_LED  [0603_SINGLE]  213.25 214 0 top
D11820  0603_LED  [0603_SINGLE]  215.25 214 0 top
D11821  0603_LED  [0603_SINGLE]  157.25 212 0 top
D11822  0603_LED  [0603_SINGLE]  159.25 212 0 top
D11823  0603_LED  [0603_SINGLE]  161.25 212 0 top
D11824  0603_LED  [0603_SINGLE]  163.25 212 0 top
D11825  0603_LED  [0603_SINGLE]  165.25 212 0 top
D11826  0603_LED  [0603_SINGLE]  167.25 212 0 top
D11827  0603_LED  [0603_SINGLE]  169.25 212 0 top
D11828  0603_LED  [0603_SINGLE]  171.25 212 0 top
D11829  0603_LED  [0603_SINGLE]  173.25 212 0 top
D11830  0603_LED  [0603_SINGLE]  175.25 212 0 top
D11831  0603_LED  [0603_SINGLE]  177.25 212 0 top
D11832  0603_LED  [0603_SINGLE]  179.25 212 0 top
D11833  0603_LED  [0603_SINGLE]  181.25 212 0 top
D11834  0603_LED  [0603_SINGLE]  183.25 212 0 top
D11835  0603_LED  [0603_SINGLE]  185.25 212 0 top
D11836  0603_LED  [0603_SINGLE]  187.25 212 0 top
D11837  0603_LED  [0603_SINGLE]  189.25 212 0 top
D11838  0603_LED  [0603_SINGLE]  191.25 212 0 top
D11839  0603_LED  [0603_SINGLE]  193.25 212 0 top
D11840  0603_LED  [0603_SINGLE]  195.25 212 0 top
D11841  0603_LED  [0603_SINGLE]  197.25 212 0 top
D11842  0603_LED  [0603_SINGLE]  199.25 212 0 top
D11843  0603_LED  [0603_SINGLE]  201.25 212 0 top
D11844  0603_LED  [0603_SINGLE]  203.25 212 0 top
D11845  0603_LED  [0603_SINGLE]  205.25 212 0 top
D11846  0603_LED  [0603_SINGLE]  207.25 212 0 top
D11847  0603_LED  [0603_SINGLE]  209.25 212 0 top
D11848  0603_LED  [0603_SINGLE]  211.25 212 0 top
D11849  0603_LED  [0603_SINGLE]  213.25 212 0 top
D11850  0603_LED  [0603_SINGLE]  215.25 212 0 top
D11851  0603_LED  [0603_SINGLE]  157.25 210 0 top
D11852  0603_LED  [0603_SINGLE]  159.25 210 0 top
D11853  0603_LED  [0603_SINGLE]  161.25 210 0 top
D11854  0603_LED  [0603_SINGLE]  163.25 210 0 top
D11855  0603_LED  [0603_SINGLE]  165.25 210 0 top
D11856  0603_LED  [0603_SINGLE]  167.25 210 0 top
D11857  0603_LED  [0603_SINGLE]  169.25 210 0 top
D11858  0603_LED  [0603_SINGLE]  171.25 210 0 top
D11859  0603_LED  [0603_SINGLE]  173.25 210 0 top
D11860  0603_LED  [0603_SINGLE]  175.25 210 0 top
D11861  0603_LED  [0603_SINGLE]  177.25 210 0 top
D11862  0603_LED  [0603_SINGLE]  179.25 210 0 top
D11863  0603_LED  [0603_SINGLE]  181.25 210 0 top
D11864  0603_LED  [0603_SINGLE]  183.25 210 0 top
D11865  0603_LED  [0603_SINGLE]  185.25 210 0 top
D11866  0603_LED  [0603_SINGLE]  187.25 210 0 top
D11867  0603_LED  [0603_SINGLE]  189.25 210 0 top
D11868  0603_LED  [0603_SINGLE]  191.25 210 0 top
D11869  0603_LED  [0603_SINGLE]  193.25 210 0 top
D11870  0603_LED  [0603_SINGLE]  195.25 210 0 top
D11871  0603_LED  [0603_SINGLE]  197.25 210 0 top
D11872  0603_LED  [0603_SINGLE]  199.25 210 0 top
D11873  0603_LED  [0603_SINGLE]  201.25 210 0 top
D11874  0603_LED  [0603_SINGLE]  203.25 210 0 top
D11875  0603_LED  [0603_SINGLE]  205.25 210 0 top
D11876  0603_LED  [0603_SINGLE]  207.25 210 0 top
D11877  0603_LED  [0603_SINGLE]  209.25 210 0 top
D11878  0603_LED  [0603_SINGLE]  211.25 210 0 top
D11879  0603_LED  [0603_SINGLE]  213.25 210 0 top
D11880  0603_LED  [0603_SINGLE]  215.25 210 0 top
D11881  0603_LED  [0603_SINGLE]  157.25 208 0 top
D11882  0603_LED  [0603_SINGLE]  159.25 208 0 top
D11883  0603_LED  [0603_SINGLE]  161.25 208 0 top
D11884  0603_LED  [0603_SINGLE]  163.25 208 0 top
D11885  0603_LED  [0603_SINGLE]  165.25 208 0 top
D11886  0603_LED  [0603_SINGLE]  167.25 208 0 top
D11887  0603_LED  [0603_SINGLE]  169.25 208 0 top
D11888  0603_LED  [0603_SINGLE]  171.25 208 0 top
D11889  0603_LED  [0603_SINGLE]  173.25 208 0 top
D11890  0603_LED  [0603_SINGLE]  175.25 208 0 top
D11891  0603_LED  [0603_SINGLE]  177.25 208 0 top
D11892  0603_LED  [0603_SINGLE]  179.25 208 0 top
D11893  0603_LED  [0603_SINGLE]  181.25 208 0 top
D11894  0603_LED  [0603_SINGLE]  183.25 208 0 top
D11895  0603_LED  [0603_SINGLE]  185.25 208 0 top
D11896  0603_LED  [0603_SINGLE]  187.25 208 0 top
D11897  0603_LED  [0603_SINGLE]  189.25 208 0 top
D11898  0603_LED  [0603_SINGLE]  191.25 208 0 top
D11899  0603_LED  [0603_SINGLE]  193.25 208 0 top
D11900  0603_LED  [0603_SINGLE]  195.25 208 0 top
D11901  0603_LED  [0603_SINGLE]  197.25 208 0 top
D11902  0603_LED  [0603_SINGLE]  199.25 208 0 top
D11903  0603_LED  [0603_SINGLE]  201.25 208 0 top
D11904  0603_LED  [0603_SINGLE]  203.25 208 0 top
D11905  0603_LED  [0603_SINGLE]  205.25 208 0 top
D11906  0603_LED  [0603_SINGLE]  207.25 208 0 top
D11907  0603_LED  [0603_SINGLE]  209.25 208 0 top
D11908  0603_LED  [0603_SINGLE]  211.25 208 0 top
D11909  0603_LED  [0603_SINGLE]  213.25 208 0 top
D11910  0603_LED  [0603_SINGLE]  215.25 208 0 top
D11911  0603_LED  [0603_SINGLE]  157.25 206 0 top
D11912  0603_LED  [0603_SINGLE]  159.25 206 0 top
D11913  0603_LED  [0603_SINGLE]  161.25 206 0 top
D11914  0603_LED  [0603_SINGLE]  163.25 206 0 top
D11915  0603_LED  [0603_SINGLE]  165.25 206 0 top
D11916  0603_LED  [0603_SINGLE]  167.25 206 0 top
D11917  0603_LED  [0603_SINGLE]  169.25 206 0 top
D11918  0603_LED  [0603_SINGLE]  171.25 206 0 top
D11919  0603_LED  [0603_SINGLE]  173.25 206 0 top
D11920  0603_LED  [0603_SINGLE]  175.25 206 0 top
D11921  0603_LED  [0603_SINGLE]  177.25 206 0 top
D11922  0603_LED  [0603_SINGLE]  179.25 206 0 top
D11923  0603_LED  [0603_SINGLE]  181.25 206 0 top
D11924  0603_LED  [0603_SINGLE]  183.25 206 0 top
D11925  0603_LED  [0603_SINGLE]  185.25 206 0 top
D11926  0603_LED  [0603_SINGLE]  187.25 206 0 top
D11927  0603_LED  [0603_SINGLE]  189.25 206 0 top
D11928  0603_LED  [0603_SINGLE]  191.25 206 0 top
D11929  0603_LED  [0603_SINGLE]  193.25 206 0 top
D11930  0603_LED  [0603_SINGLE]  195.25 206 0 top
D11931  0603_LED  [0603_SINGLE]  197.25 206 0 top
D11932  0603_LED  [0603_SINGLE]  199.25 206 0 top
D11933  0603_LED  [0603_SINGLE]  201.25 206 0 top
D11934  0603_LED  [0603_SINGLE]  203.25 206 0 top
D11935  0603_LED  [0603_SINGLE]  205.25 206 0 top
D11936  0603_LED  [0603_SINGLE]  207.25 206 0 top
D11937  0603_LED  [0603_SINGLE]  209.25 206 0 top
D11938  0603_LED  [0603_SINGLE]  211.25 206 0 top
D11939  0603_LED  [0603_SINGLE]  213.25 206 0 top
D11940  0603_LED  [0603_SINGLE]  215.25 206 0 top
D11941  0603_LED  [0603_SINGLE]  157.25 204 0 top
D11942  0603_LED  [0603_SINGLE]  159.25 204 0 top
D11943  0603_LED  [0603_SINGLE]  161.25 204 0 top
D11944  0603_LED  [0603_SINGLE]  163.25 204 0 top
D11945  0603_LED  [0603_SINGLE]  165.25 204 0 top
D11946  0603_LED  [0603_SINGLE]  167.25 204 0 top
D11947  0603_LED  [0603_SINGLE]  169.25 204 0 top
D11948  0603_LED  [0603_SINGLE]  171.25 204 0 top
D11949  0603_LED  [0603_SINGLE]  173.25 204 0 top
D11950  0603_LED  [0603_SINGLE]  175.25 204 0 top
D11951  0603_LED  [0603_SINGLE]  177.25 204 0 top
D11952  0603_LED  [0603_SINGLE]  179.25 204 0 top
D11953  0603_LED  [0603_SINGLE]  181.25 204 0 top
D11954  0603_LED  [0603_SINGLE]  183.25 204 0 top
D11955  0603_LED  [0603_SINGLE]  185.25 204 0 top
D11956  0603_LED  [0603_SINGLE]  187.25 204 0 top
D11957  0603_LED  [0603_SINGLE]  189.25 204 0 top
D11958  0603_LED  [0603_SINGLE]  191.25 204 0 top
D11959  0603_LED  [0603_SINGLE]  193.25 204 0 top
D11960  0603_LED  [0603_SINGLE]  195.25 204 0 top
D11961  0603_LED  [0603_SINGLE]  197.25 204 0 top
D11962  0603_LED  [0603_SINGLE]  199.25 204 0 top
D11963  0603_LED  [0603_SINGLE]  201.25 204 0 top
D11964  0603_LED  [0603_SINGLE]  203.25 204 0 top
D11965  0603_LED  [0603_SINGLE]  205.25 204 0 top
D11966  0603_LED  [0603_SINGLE]  207.25 204 0 top
D11967  0603_LED  [0603_SINGLE]  209.25 204 0 top
D11968  0603_LED  [0603_SINGLE]  211.25 204 0 top
D11969  0603_LED  [0603_SINGLE]  213.25 204 0 top
D11970  0603_LED  [0603_SINGLE]  215.25 204 0 top
D11971  0603_LED  [0603_SINGLE]  157.25 202 0 top
D11972  0603_LED  [0603_SINGLE]  159.25 202 0 top
D11973  0603_LED  [0603_SINGLE]  161.25 202 0 top
D11974  0603_LED  [0603_SINGLE]  163.25 202 0 top
D11975  0603_LED  [0603_SINGLE]  165.25 202 0 top
D11976  0603_LED  [0603_SINGLE]  167.25 202 0 top
D11977  0603_LED  [0603_SINGLE]  169.25 202 0 top
D11978  0603_LED  [0603_SINGLE]  171.25 202 0 top
D11979  0603_LED  [0603_SINGLE]  173.25 202 0 top
D11980  0603_LED  [0603_SINGLE]  175.25 202 0 top
D11981  0603_LED  [0603_SINGLE]  177.25 202 0 top
D11982  0603_LED  [0603_SINGLE]  179.25 202 0 top
D11983  0603_LED  [0603_SINGLE]  181.25 202 0 top
D11984  0603_LED  [0603_SINGLE]  183.25 202 0 top
D11985  0603_LED  [0603_SINGLE]  185.25 202 0 top
D11986  0603_LED  [0603_SINGLE]  187.25 202 0 top
D11987  0603_LED  [0603_SINGLE]  189.25 202 0 top
D11988  0603_LED  [0603_SINGLE]  191.25 202 0 top
D11989  0603_LED  [0603_SINGLE]  193.25 202 0 top
D11990  0603_LED  [0603_SINGLE]  195.25 202 0 top
D11991  0603_LED  [0603_SINGLE]  197.25 202 0 top
D11992  0603_LED  [0603_SINGLE]  199.25 202 0 top
D11993  0603_LED  [0603_SINGLE]  201.25 202 0 top
D11994  0603_LED  [0603_SINGLE]  203.25 202 0 top
D11995  0603_LED  [0603_SINGLE]  205.25 202 0 top
D11996  0603_LED  [0603_SINGLE]  207.25 202 0 top
D11997  0603_LED  [0603_SINGLE]  209.25 202 0 top
D11998  0603_LED  [0603_SINGLE]  211.25 202 0 top
D11999  0603_LED  [0603_SINGLE]  213.25 202 0 top
D12000  0603_LED  [0603_SINGLE]  215.25 202 0 top
D12001  0603_LED  [0603_SINGLE]  157.25 200 0 top
D12002  0603_LED  [0603_SINGLE]  159.25 200 0 top
D12003  0603_LED  [0603_SINGLE]  161.25 200 0 top
D12004  0603_LED  [0603_SINGLE]  163.25 200 0 top
D12005  0603_LED  [0603_SINGLE]  165.25 200 0 top
D12006  0603_LED  [0603_SINGLE]  167.25 200 0 top
D12007  0603_LED  [0603_SINGLE]  169.25 200 0 top
D12008  0603_LED  [0603_SINGLE]  171.25 200 0 top
D12009  0603_LED  [0603_SINGLE]  173.25 200 0 top
D12010  0603_LED  [0603_SINGLE]  175.25 200 0 top
D12011  0603_LED  [0603_SINGLE]  177.25 200 0 top
D12012  0603_LED  [0603_SINGLE]  179.25 200 0 top
D12013  0603_LED  [0603_SINGLE]  181.25 200 0 top
D12014  0603_LED  [0603_SINGLE]  183.25 200 0 top
D12015  0603_LED  [0603_SINGLE]  185.25 200 0 top
D12016  0603_LED  [0603_SINGLE]  187.25 200 0 top
D12017  0603_LED  [0603_SINGLE]  189.25 200 0 top
D12018  0603_LED  [0603_SINGLE]  191.25 200 0 top
D12019  0603_LED  [0603_SINGLE]  193.25 200 0 top
D12020  0603_LED  [0603_SINGLE]  195.25 200 0 top
D12021  0603_LED  [0603_SINGLE]  197.25 200 0 top
D12022  0603_LED  [0603_SINGLE]  199.25 200 0 top
D12023  0603_LED  [0603_SINGLE]  201.25 200 0 top
D12024  0603_LED  [0603_SINGLE]  203.25 200 0 top
D12025  0603_LED  [0603_SINGLE]  205.25 200 0 top
D12026  0603_LED  [0603_SINGLE]  207.25 200 0 top
D12027  0603_LED  [0603_SINGLE]  209.25 200 0 top
D12028  0603_LED  [0603_SINGLE]  211.25 200 0 top
D12029  0603_LED  [0603_SINGLE]  213.25 200 0 top
D12030  0603_LED  [0603_SINGLE]  215.25 200 0 top
D12031  0603_LED  [0603_SINGLE]  157.25 198 0 top
D12032  0603_LED  [0603_SINGLE]  159.25 198 0 top
D12033  0603_LED  [0603_SINGLE]  161.25 198 0 top
D12034  0603_LED  [0603_SINGLE]  163.25 198 0 top
D12035  0603_LED  [0603_SINGLE]  165.25 198 0 top
D12036  0603_LED  [0603_SINGLE]  167.25 198 0 top
D12037  0603_LED  [0603_SINGLE]  169.25 198 0 top
D12038  0603_LED  [0603_SINGLE]  171.25 198 0 top
D12039  0603_LED  [0603_SINGLE]  173.25 198 0 top
D12040  0603_LED  [0603_SINGLE]  175.25 198 0 top
D12041  0603_LED  [0603_SINGLE]  177.25 198 0 top
D12042  0603_LED  [0603_SINGLE]  179.25 198 0 top
D12043  0603_LED  [0603_SINGLE]  181.25 198 0 top
D12044  0603_LED  [0603_SINGLE]  183.25 198 0 top
D12045  0603_LED  [0603_SINGLE]  185.25 198 0 top
D12046  0603_LED  [0603_SINGLE]  187.25 198 0 top
D12047  0603_LED  [0603_SINGLE]  189.25 198 0 top
D12048  0603_LED  [0603_SINGLE]  191.25 198 0 top
D12049  0603_LED  [0603_SINGLE]  193.25 198 0 top
D12050  0603_LED  [0603_SINGLE]  195.25 198 0 top
D12051  0603_LED  [0603_SINGLE]  197.25 198 0 top
D12052  0603_LED  [0603_SINGLE]  199.25 198 0 top
D12053  0603_LED  [0603_SINGLE]  201.25 198 0 top
D12054  0603_LED  [0603_SINGLE]  203.25 198 0 top
D12055  0603_LED  [0603_SINGLE]  205.25 198 0 top
D12056  0603_LED  [0603_SINGLE]  207.25 198 0 top
D12057  0603_LED  [0603_SINGLE]  209.25 198 0 top
D12058  0603_LED  [0603_SINGLE]  211.25 198 0 top
D12059  0603_LED  [0603_SINGLE]  213.25 198 0 top
D12060  0603_LED  [0603_SINGLE]  215.25 198 0 top
D12061  0603_LED  [0603_SINGLE]  157.25 196 0 top
D12062  0603_LED  [0603_SINGLE]  159.25 196 0 top
D12063  0603_LED  [0603_SINGLE]  161.25 196 0 top
D12064  0603_LED  [0603_SINGLE]  163.25 196 0 top
D12065  0603_LED  [0603_SINGLE]  165.25 196 0 top
D12066  0603_LED  [0603_SINGLE]  167.25 196 0 top
D12067  0603_LED  [0603_SINGLE]  169.25 196 0 top
D12068  0603_LED  [0603_SINGLE]  171.25 196 0 top
D12069  0603_LED  [0603_SINGLE]  173.25 196 0 top
D12070  0603_LED  [0603_SINGLE]  175.25 196 0 top
D12071  0603_LED  [0603_SINGLE]  177.25 196 0 top
D12072  0603_LED  [0603_SINGLE]  179.25 196 0 top
D12073  0603_LED  [0603_SINGLE]  181.25 196 0 top
D12074  0603_LED  [0603_SINGLE]  183.25 196 0 top
D12075  0603_LED  [0603_SINGLE]  185.25 196 0 top
D12076  0603_LED  [0603_SINGLE]  187.25 196 0 top
D12077  0603_LED  [0603_SINGLE]  189.25 196 0 top
D12078  0603_LED  [0603_SINGLE]  191.25 196 0 top
D12079  0603_LED  [0603_SINGLE]  193.25 196 0 top
D12080  0603_LED  [0603_SINGLE]  195.25 196 0 top
D12081  0603_LED  [0603_SINGLE]  197.25 196 0 top
D12082  0603_LED  [0603_SINGLE]  199.25 196 0 top
D12083  0603_LED  [0603_SINGLE]  201.25 196 0 top
D12084  0603_LED  [0603_SINGLE]  203.25 196 0 top
D12085  0603_LED  [0603_SINGLE]  205.25 196 0 top
D12086  0603_LED  [0603_SINGLE]  207.25 196 0 top
D12087  0603_LED  [0603_SINGLE]  209.25 196 0 top
D12088  0603_LED  [0603_SINGLE]  211.25 196 0 top
D12089  0603_LED  [0603_SINGLE]  213.25 196 0 top
D12090  0603_LED  [0603_SINGLE]  215.25 196 0 top
D12091  0603_LED  [0603_SINGLE]  157.25 194 0 top
D12092  0603_LED  [0603_SINGLE]  159.25 194 0 top
D12093  0603_LED  [0603_SINGLE]  161.25 194 0 top
D12094  0603_LED  [0603_SINGLE]  163.25 194 0 top
D12095  0603_LED  [0603_SINGLE]  165.25 194 0 top
D12096  0603_LED  [0603_SINGLE]  167.25 194 0 top
D12097  0603_LED  [0603_SINGLE]  169.25 194 0 top
D12098  0603_LED  [0603_SINGLE]  171.25 194 0 top
D12099  0603_LED  [0603_SINGLE]  173.25 194 0 top
D12100  0603_LED  [0603_SINGLE]  175.25 194 0 top
D12101  0603_LED  [0603_SINGLE]  177.25 194 0 top
D12102  0603_LED  [0603_SINGLE]  179.25 194 0 top
D12103  0603_LED  [0603_SINGLE]  181.25 194 0 top
D12104  0603_LED  [0603_SINGLE]  183.25 194 0 top
D12105  0603_LED  [0603_SINGLE]  185.25 194 0 top
D12106  0603_LED  [0603_SINGLE]  187.25 194 0 top
D12107  0603_LED  [0603_SINGLE]  189.25 194 0 top
D12108  0603_LED  [0603_SINGLE]  191.25 194 0 top
D12109  0603_LED  [0603_SINGLE]  193.25 194 0 top
D12110  0603_LED  [0603_SINGLE]  195.25 194 0 top
D12111  0603_LED  [0603_SINGLE]  197.25 194 0 top
D12112  0603_LED  [0603_SINGLE]  199.25 194 0 top
D12113  0603_LED  [0603_SINGLE]  201.25 194 0 top
D12114  0603_LED  [0603_SINGLE]  203.25 194 0 top
D12115  0603_LED  [0603_SINGLE]  205.25 194 0 top
D12116  0603_LED  [0603_SINGLE]  207.25 194 0 top
D12117  0603_LED  [0603_SINGLE]  209.25 194 0 top
D12118  0603_LED  [0603_SINGLE]  211.25 194 0 top
D12119  0603_LED  [0603_SINGLE]  213.25 194 0 top
D12120  0603_LED  [0603_SINGLE]  215.25 194 0 top
D12121  0603_LED  [0603_SINGLE]  157.25 192 0 top
D12122  0603_LED  [0603_SINGLE]  159.25 192 0 top
D12123  0603_LED  [0603_SINGLE]  161.25 192 0 top
D12124  0603_LED  [0603_SINGLE]  163.25 192 0 top
D12125  0603_LED  [0603_SINGLE]  165.25 192 0 top
D12126  0603_LED  [0603_SINGLE]  167.25 192 0 top
D12127  0603_LED  [0603_SINGLE]  169.25 192 0 top
D12128  0603_LED  [0603_SINGLE]  171.25 192 0 top
D12129  0603_LED  [0603_SINGLE]  173.25 192 0 top
D12130  0603_LED  [0603_SINGLE]  175.25 192 0 top
D12131  0603_LED  [0603_SINGLE]  177.25 192 0 top
D12132  0603_LED  [0603_SINGLE]  179.25 192 0 top
D12133  0603_LED  [0603_SINGLE]  181.25 192 0 top
D12134  0603_LED  [0603_SINGLE]  183.25 192 0 top
D12135  0603_LED  [0603_SINGLE]  185.25 192 0 top
D12136  0603_LED  [0603_SINGLE]  187.25 192 0 top
D12137  0603_LED  [0603_SINGLE]  189.25 192 0 top
D12138  0603_LED  [0603_SINGLE]  191.25 192 0 top
D12139  0603_LED  [0603_SINGLE]  193.25 192 0 top
D12140  0603_LED  [0603_SINGLE]  195.25 192 0 top
D12141  0603_LED  [0603_SINGLE]  197.25 192 0 top
D12142  0603_LED  [0603_SINGLE]  199.25 192 0 top
D12143  0603_LED  [0603_SINGLE]  201.25 192 0 top
D12144  0603_LED  [0603_SINGLE]  203.25 192 0 top
D12145  0603_LED  [0603_SINGLE]  205.25 192 0 top
D12146  0603_LED  [0603_SINGLE]  207.25 192 0 top
D12147  0603_LED  [0603_SINGLE]  209.25 192 0 top
D12148  0603_LED  [0603_SINGLE]  211.25 192 0 top
D12149  0603_LED  [0603_SINGLE]  213.25 192 0 top
D12150  0603_LED  [0603_SINGLE]  215.25 192 0 top
D12151  0603_LED  [0603_SINGLE]  157.25 190 0 top
D12152  0603_LED  [0603_SINGLE]  159.25 190 0 top
D12153  0603_LED  [0603_SINGLE]  161.25 190 0 top
D12154  0603_LED  [0603_SINGLE]  163.25 190 0 top
D12155  0603_LED  [0603_SINGLE]  165.25 190 0 top
D12156  0603_LED  [0603_SINGLE]  167.25 190 0 top
D12157  0603_LED  [0603_SINGLE]  169.25 190 0 top
D12158  0603_LED  [0603_SINGLE]  171.25 190 0 top
D12159  0603_LED  [0603_SINGLE]  173.25 190 0 top
D12160  0603_LED  [0603_SINGLE]  175.25 190 0 top
D12161  0603_LED  [0603_SINGLE]  177.25 190 0 top
D12162  0603_LED  [0603_SINGLE]  179.25 190 0 top
D12163  0603_LED  [0603_SINGLE]  181.25 190 0 top
D12164  0603_LED  [0603_SINGLE]  183.25 190 0 top
D12165  0603_LED  [0603_SINGLE]  185.25 190 0 top
D12166  0603_LED  [0603_SINGLE]  187.25 190 0 top
D12167  0603_LED  [0603_SINGLE]  189.25 190 0 top
D12168  0603_LED  [0603_SINGLE]  191.25 190 0 top
D12169  0603_LED  [0603_SINGLE]  193.25 190 0 top
D12170  0603_LED  [0603_SINGLE]  195.25 190 0 top
D12171  0603_LED  [0603_SINGLE]  197.25 190 0 top
D12172  0603_LED  [0603_SINGLE]  199.25 190 0 top
D12173  0603_LED  [0603_SINGLE]  201.25 190 0 top
D12174  0603_LED  [0603_SINGLE]  203.25 190 0 top
D12175  0603_LED  [0603_SINGLE]  205.25 190 0 top
D12176  0603_LED  [0603_SINGLE]  207.25 190 0 top
D12177  0603_LED  [0603_SINGLE]  209.25 190 0 top
D12178  0603_LED  [0603_SINGLE]  211.25 190 0 top
D12179  0603_LED  [0603_SINGLE]  213.25 190 0 top
D12180  0603_LED  [0603_SINGLE]  215.25 190 0 top
D12181  0603_LED  [0603_SINGLE]  157.25 188 0 top
D12182  0603_LED  [0603_SINGLE]  159.25 188 0 top
D12183  0603_LED  [0603_SINGLE]  161.25 188 0 top
D12184  0603_LED  [0603_SINGLE]  163.25 188 0 top
D12185  0603_LED  [0603_SINGLE]  165.25 188 0 top
D12186  0603_LED  [0603_SINGLE]  167.25 188 0 top
D12187  0603_LED  [0603_SINGLE]  169.25 188 0 top
D12188  0603_LED  [0603_SINGLE]  171.25 188 0 top
D12189  0603_LED  [0603_SINGLE]  173.25 188 0 top
D12190  0603_LED  [0603_SINGLE]  175.25 188 0 top
D12191  0603_LED  [0603_SINGLE]  177.25 188 0 top
D12192  0603_LED  [0603_SINGLE]  179.25 188 0 top
D12193  0603_LED  [0603_SINGLE]  181.25 188 0 top
D12194  0603_LED  [0603_SINGLE]  183.25 188 0 top
D12195  0603_LED  [0603_SINGLE]  185.25 188 0 top
D12196  0603_LED  [0603_SINGLE]  187.25 188 0 top
D12197  0603_LED  [0603_SINGLE]  189.25 188 0 top
D12198  0603_LED  [0603_SINGLE]  191.25 188 0 top
D12199  0603_LED  [0603_SINGLE]  193.25 188 0 top
D12200  0603_LED  [0603_SINGLE]  195.25 188 0 top
D12201  0603_LED  [0603_SINGLE]  197.25 188 0 top
D12202  0603_LED  [0603_SINGLE]  199.25 188 0 top
D12203  0603_LED  [0603_SINGLE]  201.25 188 0 top
D12204  0603_LED  [0603_SINGLE]  203.25 188 0 top
D12205  0603_LED  [0603_SINGLE]  205.25 188 0 top
D12206  0603_LED  [0603_SINGLE]  207.25 188 0 top
D12207  0603_LED  [0603_SINGLE]  209.25 188 0 top
D12208  0603_LED  [0603_SINGLE]  211.25 188 0 top
D12209  0603_LED  [0603_SINGLE]  213.25 188 0 top
D12210  0603_LED  [0603_SINGLE]  215.25 188 0 top
D12211  0603_LED  [0603_SINGLE]  157.25 186 0 top
D12212  0603_LED  [0603_SINGLE]  159.25 186 0 top
D12213  0603_LED  [0603_SINGLE]  161.25 186 0 top
D12214  0603_LED  [0603_SINGLE]  163.25 186 0 top
D12215  0603_LED  [0603_SINGLE]  165.25 186 0 top
D12216  0603_LED  [0603_SINGLE]  167.25 186 0 top
D12217  0603_LED  [0603_SINGLE]  169.25 186 0 top
D12218  0603_LED  [0603_SINGLE]  171.25 186 0 top
D12219  0603_LED  [0603_SINGLE]  173.25 186 0 top
D12220  0603_LED  [0603_SINGLE]  175.25 186 0 top
D12221  0603_LED  [0603_SINGLE]  177.25 186 0 top
D12222  0603_LED  [0603_SINGLE]  179.25 186 0 top
